# KiCad board Keyboard2.kicad_pcb (continued)
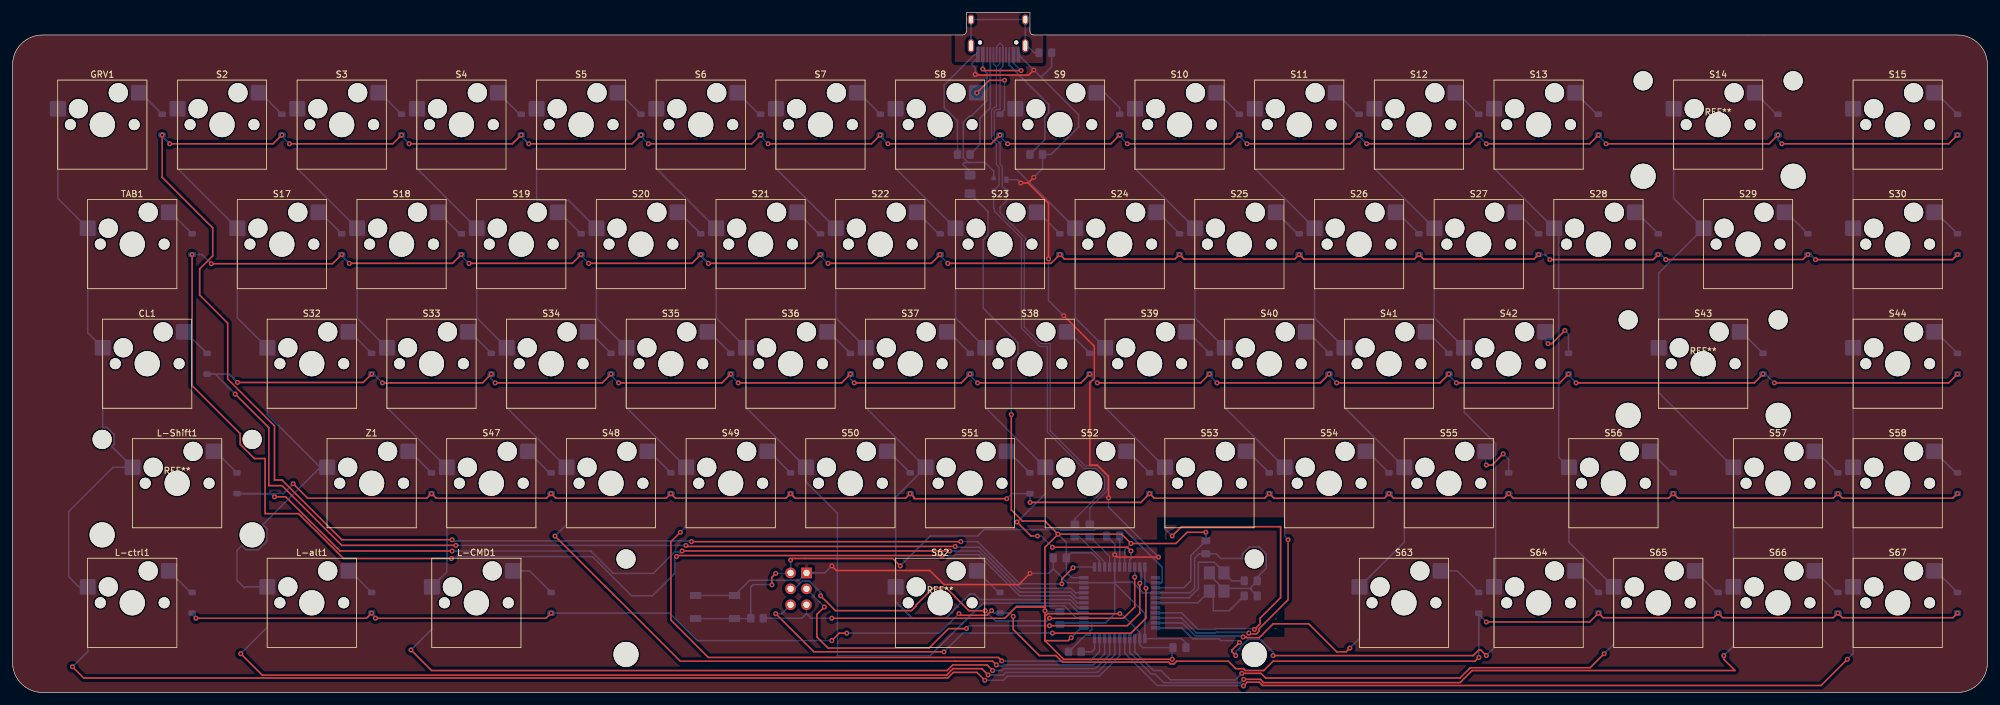
[diagram p0: board, top side]
## Routing (per net, layer and track width the routed paths; a pad name or vN(x,y) marks a point on that pad's centre or on a via; arc(x,y) is an arc through that point)
+5V: length 250.3
  Top w0.25: v1(176.23,12.55) 164.75,12.55 164.32,12.13 164.32,8.26 ; 164.32,13.61 159.72,13.61 157.94,11.83 v1(130.39,11.83) ; 164.32,13.61 v1(164.32,13.02) 164.32,8.26 ; 164.32,13.61 164.32,23.14 v1(166.4,25.22) ; v1(168.49,8.72) 168.02,8.26 164.32,8.26 ; v1(158.96,44.27) 158.96,29.09 160.75,27.31 164.32,27.31 v1(166.4,25.22) ; v1(184.56,5.28) 167.3,5.28 164.32,8.26 ; v1(189.92,25.52) 186.94,25.52 185.16,23.74 v1(178.01,23.74) 176.52,25.22 v1(166.4,25.22)
  Bottom w0.25: v1(176.23,12.55) 176.45,12.55 179.41,9.59 U1.24 179.41,7.59 179.86,7.14 C4.1 ; U1.14 186.44,16.69 187.54,17.78 187.54,21.8 C2.1 v1(189.92,25.52) ; R4.1 125.63,11.83 126.37,12.57 ; 126.37,12.57 127.1,11.83 v1(130.39,11.83) ; 126.37,12.57 J1.2 ; v1(166.4,25.22) 167.73,23.9 C7.1 ; v1(164.32,13.02) 164.47,12.87 C3.1 ; v1(168.49,8.72) 170.05,10.29 U1.34 ; F1.2 155.25,76.62 155.25,72.89 154.5,72.13 154.5,61.24 160.02,55.72 160.02,53.96 158.96,52.91 v1(158.96,44.27) ; C7.1 167.73,19.14 168.58,18.29 U1.44 ; C7.1 168.54,22.25 171.76,22.25 173.01,21 U1.2 ; v1(178.01,23.74) 177.01,22.73 U1.7 ; v1(184.56,5.28) 184.56,7.01
GND: length 316
  Top w0.25: v1(162.54,99.19) 161.73,98.38 153.31,98.38 v1(153.21,98.48) ; v1(167.3,60.05) 172.18,55.17 172.18,50.04 171.46,49.33 171.46,36.24 172.66,36.24 174.44,34.45 v1(174.44,31.01) ; v1(164.88,69.11) 164.88,77.94 161.64,81.18 ; v1(182.4,21.57) 175.79,21.57 v1(175.41,21.95) ; 161.64,81.18 v1(160.45,81.18) ; 161.64,81.18 v1(162.53,82.08) ; v1(161.94,18.97) 160.15,17.19 148.25,17.19 146,19.44 131.11,19.44 v1(130.39,20.16)
  Bottom w0.25: 171.76,11.09 171.76,10.04 171.46,9.75 171.46,9.15 170.76,9.15 R1.2 ; 171.76,11.09 174,11.09 175.41,12.5 175.41,17.57 ; 171.76,11.09 U1.35 167,11.09 C3.2 ; C5.2 197.06,16.44 197.06,16.59 ; 197.06,16.59 197.06,16.74 C6.2 198.1,18.38 199.54,19.81 199.54,22.06 198.42,23.17 196.85,23.17 195.74,22.06 195.74,21.35 192.3,21.35 191.55,22.1 C2.2 188.88,22.1 188.13,21.35 188.13,16.59 187.43,15.89 U1.15 179.91,15.89 178.23,17.57 175.41,17.57 ; 197.06,16.59 193.24,16.59 192.8,16.15 192.8,16.45 190.5,18.75 Y1.2 ; 163.7,98.03 169.68,92.06 169.68,90.11 165.29,85.73 R7.2 163.93,83.47 v1(162.53,82.08) ; 163.7,98.03 165.39,99.72 FB1.1 ; 163.7,98.03 v1(162.54,99.19) USB1.12 ; v1(161.94,18.97) 164.92,18.97 165.65,19.71 ; C4.2 186.78,7.87 186.06,8.59 U1.23 180.21,12.61 175.33,17.49 ; 165.65,19.71 167.87,17.49 U1.43 175.33,17.49 ; 165.65,19.71 C7.2 ; v1(153.21,98.48) 153.21,99.54 152.6,100.15 153.65,101.2 USB1.1 153.1,101.64 148.28,96.82 148.28,93.21 150.4,91.08 R8.2 ; 175.33,17.49 175.41,17.57 ; 175.41,17.57 U1.5 v1(175.41,21.95) 175.41,23.66 C1.2 ; v1(174.44,31.01) 174.44,29.52 v1(182.4,21.57) ; v1(164.88,69.11) 164.88,62.46 v1(167.3,60.05) ; v1(130.39,20.16) 129.27,19.05 J1.6 125.19,17.88 117.32,17.88 SW1.1 SW1.1 ; U2.1 159.92,81.71 v1(160.45,81.18)
VCC: length 38.1
  Top w0.25: v1(154.42,99.35) 154.66,99.11 v1(160.52,99.11)
  Bottom w0.25: F1.1 152.4,82.98 151.22,84.16 151.52,84.46 152.41,84.46 ; 152.41,84.46 154.8,84.46 156.16,83.09 U2.4 ; 152.41,84.46 152.05,84.46 151.33,85.18 151.33,90.86 152.36,91.9 152.66,91.9 155.08,94.32 155.08,98.69 v1(154.42,99.35) USB1.2 ; v1(160.52,99.11) 159.32,100.31 USB1.11
(no net): length 0
  Bottom w0.25: 188.73,15.4 188.73,15.4
col0: length 276.4
  Top w0.25: v1(9.54,4.09) 11.33,2.3 148.84,2.3 149.74,3.2 153.49,3.2 v1(154.75,1.94)
  Bottom w0.25: v1(9.54,4.09) 11.97,6.52 L-ctrl1.1 10.56,16.83 8.93,18.45 8.93,28.83 15.98,35.88 L-Shift1.1 15.8,39.18 16.15,39.54 16.15,41.11 15.04,42.22 14.35,42.22 CL1.1 11.97,57.31 TAB1.1 7.2,78.74 GRV1.1 ; v1(154.75,1.94) 157.7,1.94 158.37,2.6 172.95,2.6 176.21,5.86 U1.28
col1: length 257.2
  Top w0.25: v1(36.33,6.17) 39.75,2.75 148.66,2.75 149.69,3.79 154.27,3.79 v1(155.28,2.79)
  Bottom w0.25: 48.97,35.88 39.85,26.75 40.5,26.09 40.5,24.13 39.11,22.74 37.15,22.74 36.5,23.4 35.72,22.62 35.72,17.86 36.91,16.67 37.07,16.83 L-alt1.1 40.54,10.39 v1(36.33,6.17) ; 48.97,35.88 Z1.1 ; 48.97,35.88 40.54,44.31 S32.1 35.78,59.69 S17.1 26.25,83.5 S2.1 ; U1.29 175.41,5.95 172.66,3.2 158.07,3.2 157.64,2.77 155.3,2.77 v1(155.28,2.79)
col2: length 215.4
  Top w0.25: v1(63.42,6.77) 66.69,3.49 148.76,3.49 149.65,4.39 155.09,4.39 v1(155.99,3.49)
  Bottom w0.25: v1(63.42,6.77) 66.73,10.09 L-CMD1.1 69.12,19.21 S47.1 59.59,45.4 S33.1 54.83,59.69 S18.1 45.3,83.5 S3.1 ; U1.30 174.61,6.05 172.36,3.79 157.77,3.79 157.47,3.49 v1(155.99,3.49)
col3: length 178
  Top w0.25: v1(86.33,24.93) 106.28,4.98 155.99,4.98 v1(156.58,4.39)
  Bottom w0.25: S4.1 64.35,83.5 S19.1 73.88,59.69 S34.1 78.64,45.4 S48.1 88.17,26.76 v1(86.33,24.93) ; U1.31 173.81,6.14 172.06,4.39 157.82,4.39 157.67,4.24 156.73,4.24 156.58,4.38 v1(156.58,4.39)
col4: length 169
  Top w0.25: v1(157.45,5.04) 156.91,5.58 110.74,5.58 104.79,11.53 104.79,24.03 v1(106.28,25.52)
  Bottom w0.25: U1.32 173.01,6.53 171.46,4.98 157.47,4.98 157.47,5.01 v1(157.45,5.04) ; v1(106.28,25.52) 107.22,26.46 S49.1 97.63,45.46 97.63,54.77 97.69,54.83 S35.1 92.93,59.69 S20.1 88.49,78.42 83.4,78.42 S5.1
col5: length 142.4
  Bottom w0.25: S6.1 102.45,83.5 S21.1 111.98,59.69 116.74,54.93 116.74,45.4 S50.1 126.27,33.57 131.28,28.56 131.28,5.88 146.07,5.88 154.43,14.23 168.17,14.23 169.71,12.69 U1.37
col6: length 124.7
  Bottom w0.25: 130.39,73.74 130.62,73.98 S22.1 ; S7.1 121.5,83.5 S22.1 ; S22.1 131.03,59.69 S37.1 135.79,45.4 S51.1 140.55,31.12 S62.1 140.55,14.46 143.19,11.83 148.54,11.83 150.01,13.3 150.01,13.35 152.36,15.7 153.07,15.7 153.97,14.81 168.32,14.81 169.64,13.49 U1.38
col7: length 100.3
  Top w0.25: v1(163.13,24.93) 162.1,24.93 v1(159.87,27.16) ; v1(165.51,23.14) 177.42,23.14 v1(178.01,22.54)
  Bottom w0.25: S8.1 140.55,83.5 S23.1 150.08,59.69 154.84,54.93 154.84,45.4 S52.1 164.37,31.65 v1(159.87,27.16) ; v1(163.13,24.93) 163.73,24.93 v1(165.51,23.14) ; v1(178.01,22.54) 178.01,21.35 177.81,21.15 U1.8
col8: length 131.4
  Top w0.25: v1(184.56,24.93) 186.05,26.41 201.83,26.41 201.83,15.1 198.55,11.83 198.55,10.94 v1(197.66,10.04)
  Bottom w0.25: v1(197.66,10.04) 197.53,10.17 191.54,10.17 191.41,10.04 188.69,10.04 186.04,12.69 U1.19 ; S9.1 159.6,83.5 S24.1 169.13,59.69 S39.1 173.89,45.4 S53.1 183.42,26.07 v1(184.56,24.93)
col9: length 113.1
  Top w0.25: v1(203.02,24.33) 203.02,14.76 198.38,10.13 198.38,9.74 197.96,9.32 196.9,9.32 v1(196.77,9.45)
  Bottom w0.25: S10.1 178.65,83.5 S25.1 188.18,59.69 S40.1 192.94,45.4 S54.1 202.47,24.88 v1(203.02,24.33) ; v1(196.77,9.45) 196.64,9.58 191.54,9.58 191.41,9.45 188.43,9.45 185.99,11.89 U1.20
col10: length 134.3
  Top w0.25: v1(212.84,7.07) 212.24,6.47 210.76,6.47 206.29,10.94 200.63,10.94 198.42,8.72 196.47,8.72 196.34,8.85 v1(195.87,8.85)
  Bottom w0.25: S11.1 197.7,83.5 S26.1 207.23,59.69 S41.1 211.99,45.4 S55.1 221.52,23.97 S63.1 214.37,8.6 v1(212.84,7.07) ; v1(195.87,8.85) 195.73,9 188.24,9 186.15,11.09 U1.21
col11: length 156.3
  Top w0.25: v1(200.63,5.88) 232.48,5.88 233.38,6.77 233.67,6.77 v1(234.57,5.88) ; v1(195.28,7.96) 194.09,6.77 194.09,6.47 v1(194.68,5.88)
  Bottom w0.25: v1(194.68,5.88) 194.68,6.46 196.66,8.43 198.62,8.43 200.63,6.42 v1(200.63,5.88) ; v1(195.28,7.96) 194.98,8.26 192.3,8.26 192.01,8.55 187.84,8.55 186.05,10.34 186,10.29 U1.22 ; v1(234.57,5.88) 235.8,7.11 S64.1 236.04,17.07 236.04,39.66 231.04,44.66 S42.1 226.28,59.69 S27.1 216.75,83.5 S12.1
col12: length 176.4
  Top w0.25: v1(253.32,6.17) 251.09,3.94 232.01,3.94 230.37,2.3 199.44,2.3 198.7,3.04 v1(195.65,3.04)
  Bottom w0.25: U1.25 178.61,6.47 181.58,3.49 182.78,3.49 184.26,2.01 194.62,2.01 v1(195.65,3.04) ; v1(253.32,6.17) 254.85,7.71 S65.1 247.71,23.97 S56.1 246.08,37.5 246.08,73.22 S28.1 235.8,83.5 S13.1
col13: length 202.6
  Top w0.25: v1(195.94,2.09) 198.6,2.09 199.13,1.56 230.39,1.56 232.32,3.49 274.16,3.49 272.37,5.28 v1(272.37,5.88)
  Bottom w0.25: v1(272.37,5.88) 273.9,7.41 S66.1 S57.1 262,47.78 S43.1 262,66.83 S29.1 264.38,78.74 S14.1 ; v1(195.94,2.09) 195.41,1.56 183.22,1.56 181.88,2.9 181.29,2.9 177.81,6.37 U1.26
col14: length 209.8
  Top w0.25: v1(292.02,5.28) 287.85,1.11 198.94,1.11 198.42,1.64 196.51,1.64 v1(195.92,1.04)
  Bottom w0.25: S15.1 S30.1 S44.1 S58.1 S67.1 292.95,6.22 v1(292.02,5.28) ; v1(195.92,1.04) 195.84,1.11 182.18,1.11 177.01,6.28 U1.27
D+: length 6.1
  Bottom w0.2: U1.4 174.61,21.67 R6.2
D-: length 7.2
  Bottom w0.2: R5.2 169.81,24.82 173.81,20.81 U1.3
DN: length 89.7
  Bottom w0.2: 156.58,99.7 157.12,100.24 USB1.7 ; 156.58,99.7 156.12,100.16 USB1.5 ; 156.58,99.7 156.58,93.34 156.38,93.34 155.81,92.77 155.81,88.2 156.58,87.43 156.58,84.14 157.02,83.7 157.02,80.87 U2.3 156.16,77.14 156.28,77.02 156.28,76.7 157.38,75.6 157.38,75.55 158.74,74.19 158.79,74.19 160.71,72.27 160.57,72.13 160.57,58.08 163.5,55.14 164.69,55.14 164.69,41.5 170.51,35.69 172.42,35.69 173.8,34.31 173.8,32.36 169.08,27.65 R5.1
DP: length 91.6
  Bottom w0.2: USB1.6 156.62,102.95 157.18,103.51 157.62,103.06 USB1.8 157.62,99.78 157.18,99.34 157.18,92.89 156.56,92.89 156.26,92.59 156.26,88.39 157.18,87.47 157.18,84.18 157.51,83.84 157.51,80.66 U2.2 158.16,78.3 157.18,77.31 157.18,76.44 157.83,75.79 157.83,75.74 158.93,74.64 158.98,74.64 161.35,72.27 161.02,71.94 161.02,58.26 163.69,55.59 165.14,55.59 165.14,41.69 170.69,36.14 172.61,36.14 174.25,34.5 174.25,32.18 171.46,29.39 R6.1
Earth: length 19.7
  Bottom w0.25: FB1.2 162.61,101.95 161.64,102.92 ; 161.19,102.73 USB1.13 USB1.13 152.55,107.23 152.55,102.73
MISO: length 74.9
  Top w0.25: v1(180.39,16.61) 180.39,11.83 178.01,9.45 v1(165.51,9.45) ; v1(121.46,12.55) 127.54,6.47 v1(148.25,6.47)
  Bottom w0.25: v1(180.39,16.61) 180.21,16.79 U1.11 ; v1(165.51,9.45) 151.22,9.45 v1(148.25,6.47) ; v1(121.46,12.55) 122.41,12.55 J1.1
MOSI: length 71.3
  Top w0.25: v1(151.82,10.17) 148.97,10.17 145.87,7.07 129.79,7.07 128.01,8.85 128.01,12.42 v1(129.2,13.61) ; v1(165.05,10.64) 177.42,10.64 179.42,12.64 v1(179.42,17.4)
  Bottom w0.25: v1(151.82,10.17) 152.28,10.64 v1(165.05,10.64) ; U1.10 179.61,19.79 179.61,17.6 v1(179.42,17.4) ; v1(129.2,13.61) 129.2,13.68 J1.4
RESET: length 92.1
  Top w0.25: v1(141.28,20.16) 140.09,21.35 124.1,21.35 v1(123.84,21.09) ; v1(121.46,18.97) 120.86,18.38 v1(120.86,17.15)
  Bottom w0.25: U1.13 182.91,17.49 182.99,17.56 182.99,19.95 176.82,26.12 172.38,26.12 172.16,25.89 166.92,25.89 166.87,25.95 154.63,25.95 153.61,24.93 146.04,24.93 v1(141.28,20.16) ; v1(120.86,17.15) 120.83,17.19 117.89,17.19 117.48,16.78 R4.2 117.42,11.76 SW1.2 SW1.2 ; v1(121.46,18.97) 123.75,18.97 J1.5 123.84,19.06 v1(123.84,21.09)
row0: length 507.2
  Top w0.25: v1(119.06,88.84) 117.66,87.43 v1(101.22,87.43) ; v1(120.27,87.43) 136.71,87.43 v1(138.11,88.84) ; v1(157.16,88.84) 155.76,87.43 v1(139.32,87.43) ; v1(61.91,88.84) 60.51,87.43 v1(44.07,87.43) ; v1(82.17,87.43) 98.61,87.43 v1(100.01,88.84) ; v1(233.36,88.84) 231.96,87.43 v1(215.52,87.43) ; v1(177.42,87.43) 193.86,87.43 v1(195.26,88.84) ; v1(158.37,87.43) 174.81,87.43 v1(176.21,88.84) ; v1(234.57,87.43) 251.01,87.43 v1(252.41,88.84) ; v1(69.96,24.33) 52.4,24.33 42.88,33.86 41.69,33.86 41.69,42.49 34.24,49.93 34.24,58.86 29.78,63.32 29.78,67.49 31.86,69.57 31.86,74.04 23.81,82.09 v1(23.81,88.84) ; v1(25.02,87.43) 41.46,87.43 v1(42.86,88.84) ; v1(168.79,19.87) 167,18.08 v1(167,17.32) ; v1(280.99,88.84) 279.58,87.43 v1(253.62,87.43) ; v1(196.47,87.43) 212.91,87.43 v1(214.31,88.84) ; v1(150.93,24.03) v1(108.06,24.03) ; v1(80.96,88.84) 79.56,87.43 v1(63.12,87.43) ; v1(281.6,87.43) 308.16,87.43 v1(309.56,88.84)
  Bottom w0.25: v1(176.21,88.84) 176.21,88.64 v1(177.42,87.43) ; v1(281.6,87.43) 280.99,88.04 v1(280.99,88.84) ; v1(157.16,88.84) 157.16,88.64 v1(158.37,87.43) ; v1(82.17,87.43) 80.96,88.64 v1(80.96,88.84) ; v1(214.31,88.84) 214.31,88.64 v1(215.52,87.43) ; v1(234.57,87.43) 233.36,88.64 v1(233.36,88.84) ; v1(108.06,24.03) 107.93,24.16 70.13,24.16 v1(69.96,24.33) ; v1(252.41,88.84) 252.41,88.64 v1(253.62,87.43) ; v1(138.11,88.84) 138.11,88.64 v1(139.32,87.43) ; v1(195.26,88.84) 195.26,88.64 v1(196.47,87.43) ; v1(42.86,88.84) 42.86,88.64 v1(44.07,87.43) ; v1(61.91,88.84) 61.91,88.64 v1(63.12,87.43) ; v1(120.27,87.43) 119.06,88.64 v1(119.06,88.84) ; v1(167,17.32) 160.58,17.32 160.45,17.19 153.61,24.03 v1(150.93,24.03) ; U1.1 168.91,19.99 v1(168.79,19.87) ; v1(100.01,88.84) 100.01,88.64 v1(101.22,87.43) ; v1(25.02,87.43) 23.81,88.64 v1(23.81,88.84)
row1: length 484.7
  Top w0.25: v1(71.44,69.79) 70.03,68.38 v1(53.59,68.38) ; v1(129.79,68.38) 146.23,68.38 v1(147.64,69.79) ; v1(109.54,69.79) 108.13,68.38 v1(91.69,68.38) ; v1(90.49,69.79) 89.08,68.38 v1(72.64,68.38) ; v1(309.56,69.79) 308.75,68.98 v1(286.96,68.98) ; v1(242.89,69.79) 242.16,69.06 224.56,69.06 v1(223.84,69.79) 223.11,69.06 205.51,69.06 v1(204.79,69.79) 204.06,69.06 186.46,69.06 v1(185.74,69.79) 185.01,69.06 167.41,69.06 v1(166.69,69.79) 165.28,68.38 v1(148.84,68.38) ; v1(244.69,68.98) 261.13,68.98 v1(261.94,69.79) ; v1(110.74,68.38) 127.18,68.38 v1(128.59,69.79) ; v1(147.95,21.82) 105.85,21.82 v1(105.68,21.65) ; v1(52.39,69.79) 50.92,68.32 v1(31.63,68.32) ; v1(69.84,21.35) 52.66,21.35 45.51,28.5 40.2,28.5 40.2,37.28 38.49,37.28 36.23,39.54 36.23,41.24 28.58,48.9 v1(28.58,69.79) ; v1(263.13,68.99) 284.95,68.99 v1(285.75,69.79)
  Bottom w0.25: v1(28.58,69.79) 30.16,69.79 v1(31.63,68.32) ; v1(261.94,69.79) 262.33,69.79 v1(263.13,68.99) ; v1(69.84,21.35) 70.14,21.65 92.29,21.65 98.54,15.4 101.81,15.4 105.38,18.97 105.38,21.35 v1(105.68,21.65) ; U1.39 169.47,14.29 168.36,15.4 160.29,15.4 153.74,21.95 150.03,21.95 149.9,21.82 v1(147.95,21.82) ; v1(71.44,69.79) 71.44,69.59 v1(72.64,68.38) ; v1(90.49,69.79) 90.49,69.59 v1(91.69,68.38) ; v1(148.84,68.38) 147.64,69.59 v1(147.64,69.79) ; v1(129.79,68.38) 128.59,69.59 v1(128.59,69.79) ; v1(53.59,68.38) 52.39,69.59 v1(52.39,69.79) ; v1(109.54,69.79) 109.54,69.59 v1(110.74,68.38) ; v1(242.89,69.79) 243.88,69.79 v1(244.69,68.98) ; v1(286.96,68.98) 286.15,69.79 v1(285.75,69.79)
row2: length 455
  Top w0.25: v1(95.25,50.74) 93.85,49.33 v1(76.81,49.33) ; v1(280.41,49.33) 308.16,49.33 v1(309.56,50.74) ; v1(96.46,49.33) 112.9,49.33 v1(114.3,50.74) ; v1(107.17,23.44) 107.34,23.27 v1(150.03,23.27) ; v1(248.86,49.33) 277.2,49.33 v1(278.61,50.74) ; v1(133.35,50.74) 131.95,49.33 v1(115.51,49.33) ; v1(35.44,47.55) 40.79,42.19 40.79,32.96 42.88,32.96 52.4,23.44 v1(70.56,23.44) ; v1(152.4,50.74) 151,49.33 v1(133.96,49.33) ; v1(76.2,50.74) 74.8,49.33 v1(58.87,49.33) ; v1(35.8,49.4) 55.81,49.4 v1(57.15,50.74) ; v1(209.55,50.74) 208.15,49.33 v1(191.71,49.33) ; v1(172.66,49.33) 189.1,49.33 v1(190.5,50.74) ; v1(171.45,50.74) 170.05,49.33 v1(153.61,49.33) ; v1(229.81,49.33) 246.25,49.33 v1(247.65,50.74) ; v1(228.6,50.74) 227.2,49.33 v1(210.76,49.33)
  Bottom w0.25: v1(96.46,49.33) 95.25,50.54 v1(95.25,50.74) ; v1(247.65,50.74) 247.65,50.54 v1(248.86,49.33) ; v1(150.03,23.27) 150.03,23.14 153.83,23.14 160.37,16.59 168.44,16.59 169.15,15.89 U1.41 ; v1(172.66,49.33) 171.45,50.54 v1(171.45,50.74) ; v1(76.2,50.74) 76.2,49.94 v1(76.81,49.33) ; v1(228.6,50.74) 228.6,50.54 v1(229.81,49.33) ; v1(152.4,50.74) 152.4,50.54 v1(153.61,49.33) ; v1(58.87,49.33) 57.46,50.74 v1(57.15,50.74) ; v1(35.44,47.55) 32.25,50.74 D31.1 34.46,50.74 v1(35.8,49.4) ; v1(107.17,23.44) v1(70.56,23.44) ; v1(115.51,49.33) 114.3,50.54 v1(114.3,50.74) ; v1(190.5,50.74) 190.5,50.54 v1(191.71,49.33) ; v1(210.76,49.33) 209.55,50.54 v1(209.55,50.74) ; v1(133.96,49.33) 133.35,49.94 v1(133.35,50.74) ; v1(280.41,49.33) 279,50.74 v1(278.61,50.74)
row3: length 429.3
  Top w0.25: v1(158.24,30.88) 143.48,30.88 143.48,31.08 v1(142.88,31.69) 142.15,30.96 124.55,30.96 v1(123.83,31.69) 123.1,30.96 105.5,30.96 v1(104.78,31.69) 104.05,30.96 86.45,30.96 v1(85.73,31.69) 85,30.96 67.4,30.96 v1(66.68,31.69) 65.95,30.96 46.96,30.96 v1(44.66,33.26) ; v1(69.96,22.54) 52.1,22.54 43.47,31.18 v1(41.69,31.18) ; v1(149.14,22.54) v1(106.58,22.54) ; v1(309.56,31.69) 308.84,30.96 291.24,30.96 v1(290.51,31.69) 289.79,30.96 265.04,30.96 v1(264.32,31.69) 263.59,30.96 238.85,30.96 v1(238.13,31.69) 237.4,30.96 219.8,30.96 v1(219.08,31.69) 218.35,30.96 200.75,30.96 v1(200.03,31.69) 199.3,30.96 181.7,30.96 v1(180.98,31.69) 179.57,30.28 v1(161.94,30.28)
  Bottom w0.25: U1.40 169.31,15.09 168.4,16 160.33,16 153.78,22.54 v1(149.14,22.54) ; v1(69.96,22.54) 92.03,22.54 95.6,18.97 101.98,18.97 105.38,22.38 105.98,22.38 106.2,22.16 v1(106.58,22.54) ; v1(41.69,31.18) 41.18,31.69 D45.1 43.09,31.69 v1(44.66,33.26) ; v1(158.24,30.88) 159.05,31.69 D51.1 161.93,30.3 v1(161.94,30.28)
row4: length 316.2
  Top w0.25: v1(233.38,5.58) 232.78,4.98 200.63,4.98 199.15,3.49 196.22,3.49 195.93,3.79 194.68,3.79 193.49,4.98 185.29,4.98 185.29,4.98 184.86,4.56 184.26,4.56 183.99,4.83 167.11,4.83 166.07,5.88 163.43,5.88 159.26,10.04 v1(159.26,12.13) ; v1(234.57,11.23) 251.01,11.23 v1(252.41,12.64) 253.14,11.91 270.74,11.91 v1(271.46,12.64) 272.19,11.91 289.79,11.91 v1(290.51,12.64) 291.24,11.91 308.84,11.91 v1(309.56,12.64) ; v1(150.63,12.55) 150.89,12.29 155.1,12.29 155.81,13.01 v1(155.81,13.03) ; v1(57.76,11.83) 84.92,11.83 v1(85.73,12.64) ; v1(132.77,9.45) 131.58,9.45 v1(130.39,8.26) ; v1(57.15,12.64) 56.34,11.83 v1(29.18,11.83)
  Bottom w0.25: 158.75,12.64 159.86,13.74 165.68,13.74 165.71,13.78 167.42,13.78 169.31,11.89 U1.36 ; 158.75,12.64 D62.1 156.2,12.64 v1(155.81,13.03) ; 158.75,12.64 v1(159.26,12.13) ; v1(57.15,12.64) 57.15,12.44 v1(57.76,11.83) ; D59.1 28.58,12.44 v1(29.18,11.83) ; v1(150.63,12.55) 147.52,9.45 v1(132.77,9.45) ; v1(85.73,12.64) 104.58,12.64 108.96,8.26 v1(130.39,8.26) ; v1(234.57,11.23) 233.36,12.44 D63.1 233.36,5.59 v1(233.38,5.58)
SCK: length 68.6
  Top w0.25: v1(165.05,11.83) 176.82,11.83 178.61,13.61 v1(178.61,18.38) ; v1(128.6,15.4) 130.97,13.04 143.08,13.04 143.81,13.77 143.81,13.94 146.53,16.66 148.62,16.66 150.01,15.27 150.01,15.22 152.22,13.02 v1(154.8,13.02)
  Bottom w0.25: v1(154.8,13.02) 156.41,11.4 164.62,11.4 v1(165.05,11.83) ; v1(128.6,15.4) 128.6,15.93 126.81,17.73 125.68,17.73 124.46,16.51 J1.3 ; U1.9 178.61,18.38 v1(178.61,18.38)
Net-(D1-A): length 5.1
  Bottom w0.25: D1.2 20.38,95.57 GRV1.2
Net-(D2-A): length 5.1
  Bottom w0.25: D2.2 39.43,95.57 S2.2
Net-(D3-A): length 5.1
  Bottom w0.25: S3.2 58.48,95.57 D3.2
Net-(D4-A): length 5.1
  Bottom w0.25: D4.2 80.71,92.14 S4.2
Net-(D5-A): length 5.1
  Bottom w0.25: S5.2 96.58,95.57 D5.2
Net-(D6-A): length 5.1
  Bottom w0.25: D6.2 118.81,92.14 S6.2
Net-(D7-A): length 5.1
  Bottom w0.25: D7.2 134.68,95.57 S7.2
Net-(D8-A): length 10.9
  Top w0.25: v1(157.88,97.55) 155.47,97.55 v1(153.48,95.57)
  Bottom w0.25: v1(157.88,97.55) 157.88,92.85 D8.2
Net-(D9-A): length 5.7
  Bottom w0.25: D9.2 176.21,93.16 173.8,95.57 S9.2
Net-(D10-A): length 5.1
  Bottom w0.25: S10.2 191.83,95.57 D10.2
Net-(D11-A): length 5.1
  Bottom w0.25: S11.2 214.06,92.14 D11.2
Net-(D12-A): length 5.1
  Bottom w0.25: D12.2 229.93,95.57 S12.2
Net-(D13-A): length 5.1
  Bottom w0.25: D13.2 252.16,92.14 S13.2
Net-(D14-A): length 5.1
  Bottom w0.25: D14.2 280.73,92.14 S14.2
Net-(D15-A): length 5.1
  Bottom w0.25: D15.2 306.13,95.57 S15.2
Net-(D16-A): length 5.1
  Bottom w0.25: TAB1.2 25.15,76.52 D16.2
Net-(D17-A): length 5.1
  Bottom w0.25: D17.2 48.96,76.52 S17.2
Net-(D18-A): length 5.1
  Bottom w0.25: S18.2 71.18,73.09 D18.2
Net-(D19-A): length 5.1
  Bottom w0.25: S19.2 87.06,76.52 D19.2
Net-(D20-A): length 5.1
  Bottom w0.25: S20.2 106.11,76.52 D20.2
Net-(D21-A): length 5.1
  Bottom w0.25: S21.2 128.33,73.09 D21.2
Net-(D22-A): length 5.1
  Bottom w0.25: D22.2 147.38,73.09 S22.2
Net-(D23-A): length 5.1
  Bottom w0.25: D23.2 163.26,76.52 S23.2
Net-(D24-A): length 5.1
  Bottom w0.25: S24.2 182.31,76.52 D24.2
Net-(D25-A): length 5.1
  Bottom w0.25: D25.2 204.53,73.09 S25.2
Net-(D26-A): length 5.1
  Bottom w0.25: S26.2 220.41,76.52 D26.2
Net-(D27-A): length 5.1
  Bottom w0.25: S27.2 239.46,76.52 D27.2
Net-(D28-A): length 5.1
  Bottom w0.25: D28.2 258.51,76.52 S28.2
Net-(D29-A): length 5.1
  Bottom w0.25: S29.2 282.32,76.52 D29.2
Net-(D30-A): length 5.1
  Bottom w0.25: S30.2 306.13,76.52 D30.2
Net-(D31-A): length 5.1
  Bottom w0.25: CL1.2 27.53,57.47 D31.2
Net-(D32-A): length 5.1
  Bottom w0.25: S32.2 53.72,57.47 D32.2
Net-(D33-A): length 5.1
  Bottom w0.25: S33.2 72.77,57.47 D33.2
Net-(D34-A): length 5.1
  Bottom w0.25: S34.2 91.82,57.47 D34.2
Net-(D35-A): length 5.1
  Bottom w0.25: D35.2 110.87,57.47 S35.2
Net-(D36-A): length 5.1
  Bottom w0.25: S36.2 129.92,57.47 D36.2
Net-(D37-A): length 5.1
  Bottom w0.25: S37.2 148.97,57.47 D37.2
Net-(D38-A): length 5.1
  Bottom w0.25: S38.2 168.02,57.47 D38.2
Net-(D39-A): length 5.1
  Bottom w0.25: S39.2 187.07,57.47 D39.2
Net-(D40-A): length 5.1
  Bottom w0.25: D40.2 206.12,57.47 S40.2
Net-(D41-A): length 5.1
  Bottom w0.25: S41.2 225.17,57.47 D41.2
Net-(D42-A): length 9.5
  Top w0.25: v1(247.07,57.67) 244.99,55.58 v1(244.39,55.58)
  Bottom w0.25: v1(247.07,57.67) 247.65,57.09 D42.2 ; v1(244.39,55.58) 243.97,56.01 S42.2
Net-(D43-A): length 5.1
  Bottom w0.25: S43.2 275.18,57.47 D43.2
Net-(D44-A): length 5.1
  Bottom w0.25: D44.2 306.13,57.47 S44.2
Net-(D45-A): length 5.1
  Bottom w0.25: L-Shift1.2 32.29,38.42 D45.2
Net-(D46-A): length 5.1
  Bottom w0.25: D46.2 63.25,38.42 Z1.2
Net-(D47-A): length 5.1
  Bottom w0.25: S47.2 85.47,34.99 D47.2
Net-(D48-A): length 5.1
  Bottom w0.25: D48.2 101.35,38.42 S48.2
Net-(D49-A): length 5.1
  Bottom w0.25: S49.2 120.4,38.42 D49.2
Net-(D50-A): length 5.1
  Bottom w0.25: S50.2 139.45,38.42 D50.2
Net-(D51-A): length 5.1
  Bottom w0.25: D51.2 158.5,38.42 158.24,38.42
Net-(D52-A): length 5.1
  Bottom w0.25: D52.2 177.55,38.42 S52.2
Net-(D53-A): length 5.1
  Bottom w0.25: D53.2 196.6,38.42 S53.2
Net-(D54-A): length 5.1
  Bottom w0.25: D54.2 215.65,38.42 S54.2
Net-(D55-A): length 9.1
  Top w0.25: v1(237.25,38.02) 235.46,36.24 v1(234.57,36.24)
  Bottom w0.25: v1(234.57,36.24) 234.44,36.36 S55.2 ; D55.2 238.13,37.14 v1(237.25,38.02)
Net-(D56-A): length 5.1
  Bottom w0.25: S56.2 264.07,34.99 D56.2
Net-(D57-A): length 5.1
  Bottom w0.25: S57.2 287.08,38.42 D57.2
Net-(D58-A): length 5.1
  Bottom w0.25: S58.2 309.31,34.99 D58.2
Net-(D59-A): length 5.1
  Bottom w0.25: D59.2 28.32,15.94 L-ctrl1.2
Net-(D60-A): length 5.1
  Bottom w0.25: D60.2 53.72,19.37 L-alt1.2
Net-(D61-A): length 7.5
  Bottom w0.25: L-CMD1.2 82.3,19.37 D61.2
Net-(D62-A): length 5.4
  Bottom w0.25: D62.2 157.16,15.71 153.51,19.37 S62.2
Net-(D63-A): length 7.5
  Bottom w0.25: D63.2 229.93,19.37 S63.2
Net-(D64-A): length 5.1
  Bottom w0.25: S64.2 248.98,19.37 D64.2
Net-(D65-A): length 5.1
  Bottom w0.25: D65.2 271.21,15.94 S65.2
Net-(D66-A): length 5.1
  Bottom w0.25: D66.2 290.26,15.94 S66.2
Net-(D67-A): length 5.1
  Bottom w0.25: S67.2 306.13,19.37 D67.2
Net-(U1-UCAP): length 4.9
  Bottom w0.25: U1.6 176.22,19.99 C1.1
Net-(U1-XTAL1): length 18.6
  Bottom w0.25: U1.17 188.64,14.29 Y1.1 190.5,16 191.11,15.39 191.11,13.02 193.64,13.02 C5.1
Net-(U1-XTAL2): length 20.2
  Bottom w0.25: U1.16 187.27,15.09 188.73,16.55 188.73,20.76 191.24,20.76 192.8,19.2 192.8,19.05 194.07,17.78 C6.1
Net-(U1-~{HWB}/PE2): length 4
  Bottom w0.25: R1.1 171.76,6.47 172.21,6.92 U1.33
Net-(USB1-CC1): length 17.2
  Bottom w0.25: R8.1 153.97,87.29 153.97,91.53 155.62,93.18 USB1.4
Net-(USB1-CC2): length 19.8
  Bottom w0.25: USB1.10 158.62,99.98 164.92,93.68 164.92,92.38 164.31,91.78 164.31,88.11 R7.1

## Copper pours and planes (outline as drawn; the poured copper is in the pictures)
GND on Top: 320.29,-5.43 -3.56,-5.43 -3.56,118.39 320.29,118.39 ; 1 cut-out
GND on Bottom: 201.23,26.71 201.23,10.04 183.37,10.04 183.37,26.71
(no net) on Top: 164.02,100.28 164.05,109.05 149.95,109.19 149.98,100.48
(no net) on Top: 201.26,26.71 201.26,10.04 183.4,10.04 183.41,13.88 180.89,13.88 180.89,16.27 183.4,16.27 183.4,26.71
(no net) on Bottom: 320.29,-5.43 -3.56,-5.43 -3.56,118.39 320.29,118.39 ; 1 cut-out
(no net) on Bottom: 164.02,100.28 164.05,109.05 149.95,109.19 149.98,100.48
